# Allegro board TubiiPCB_V6.brd (continued)
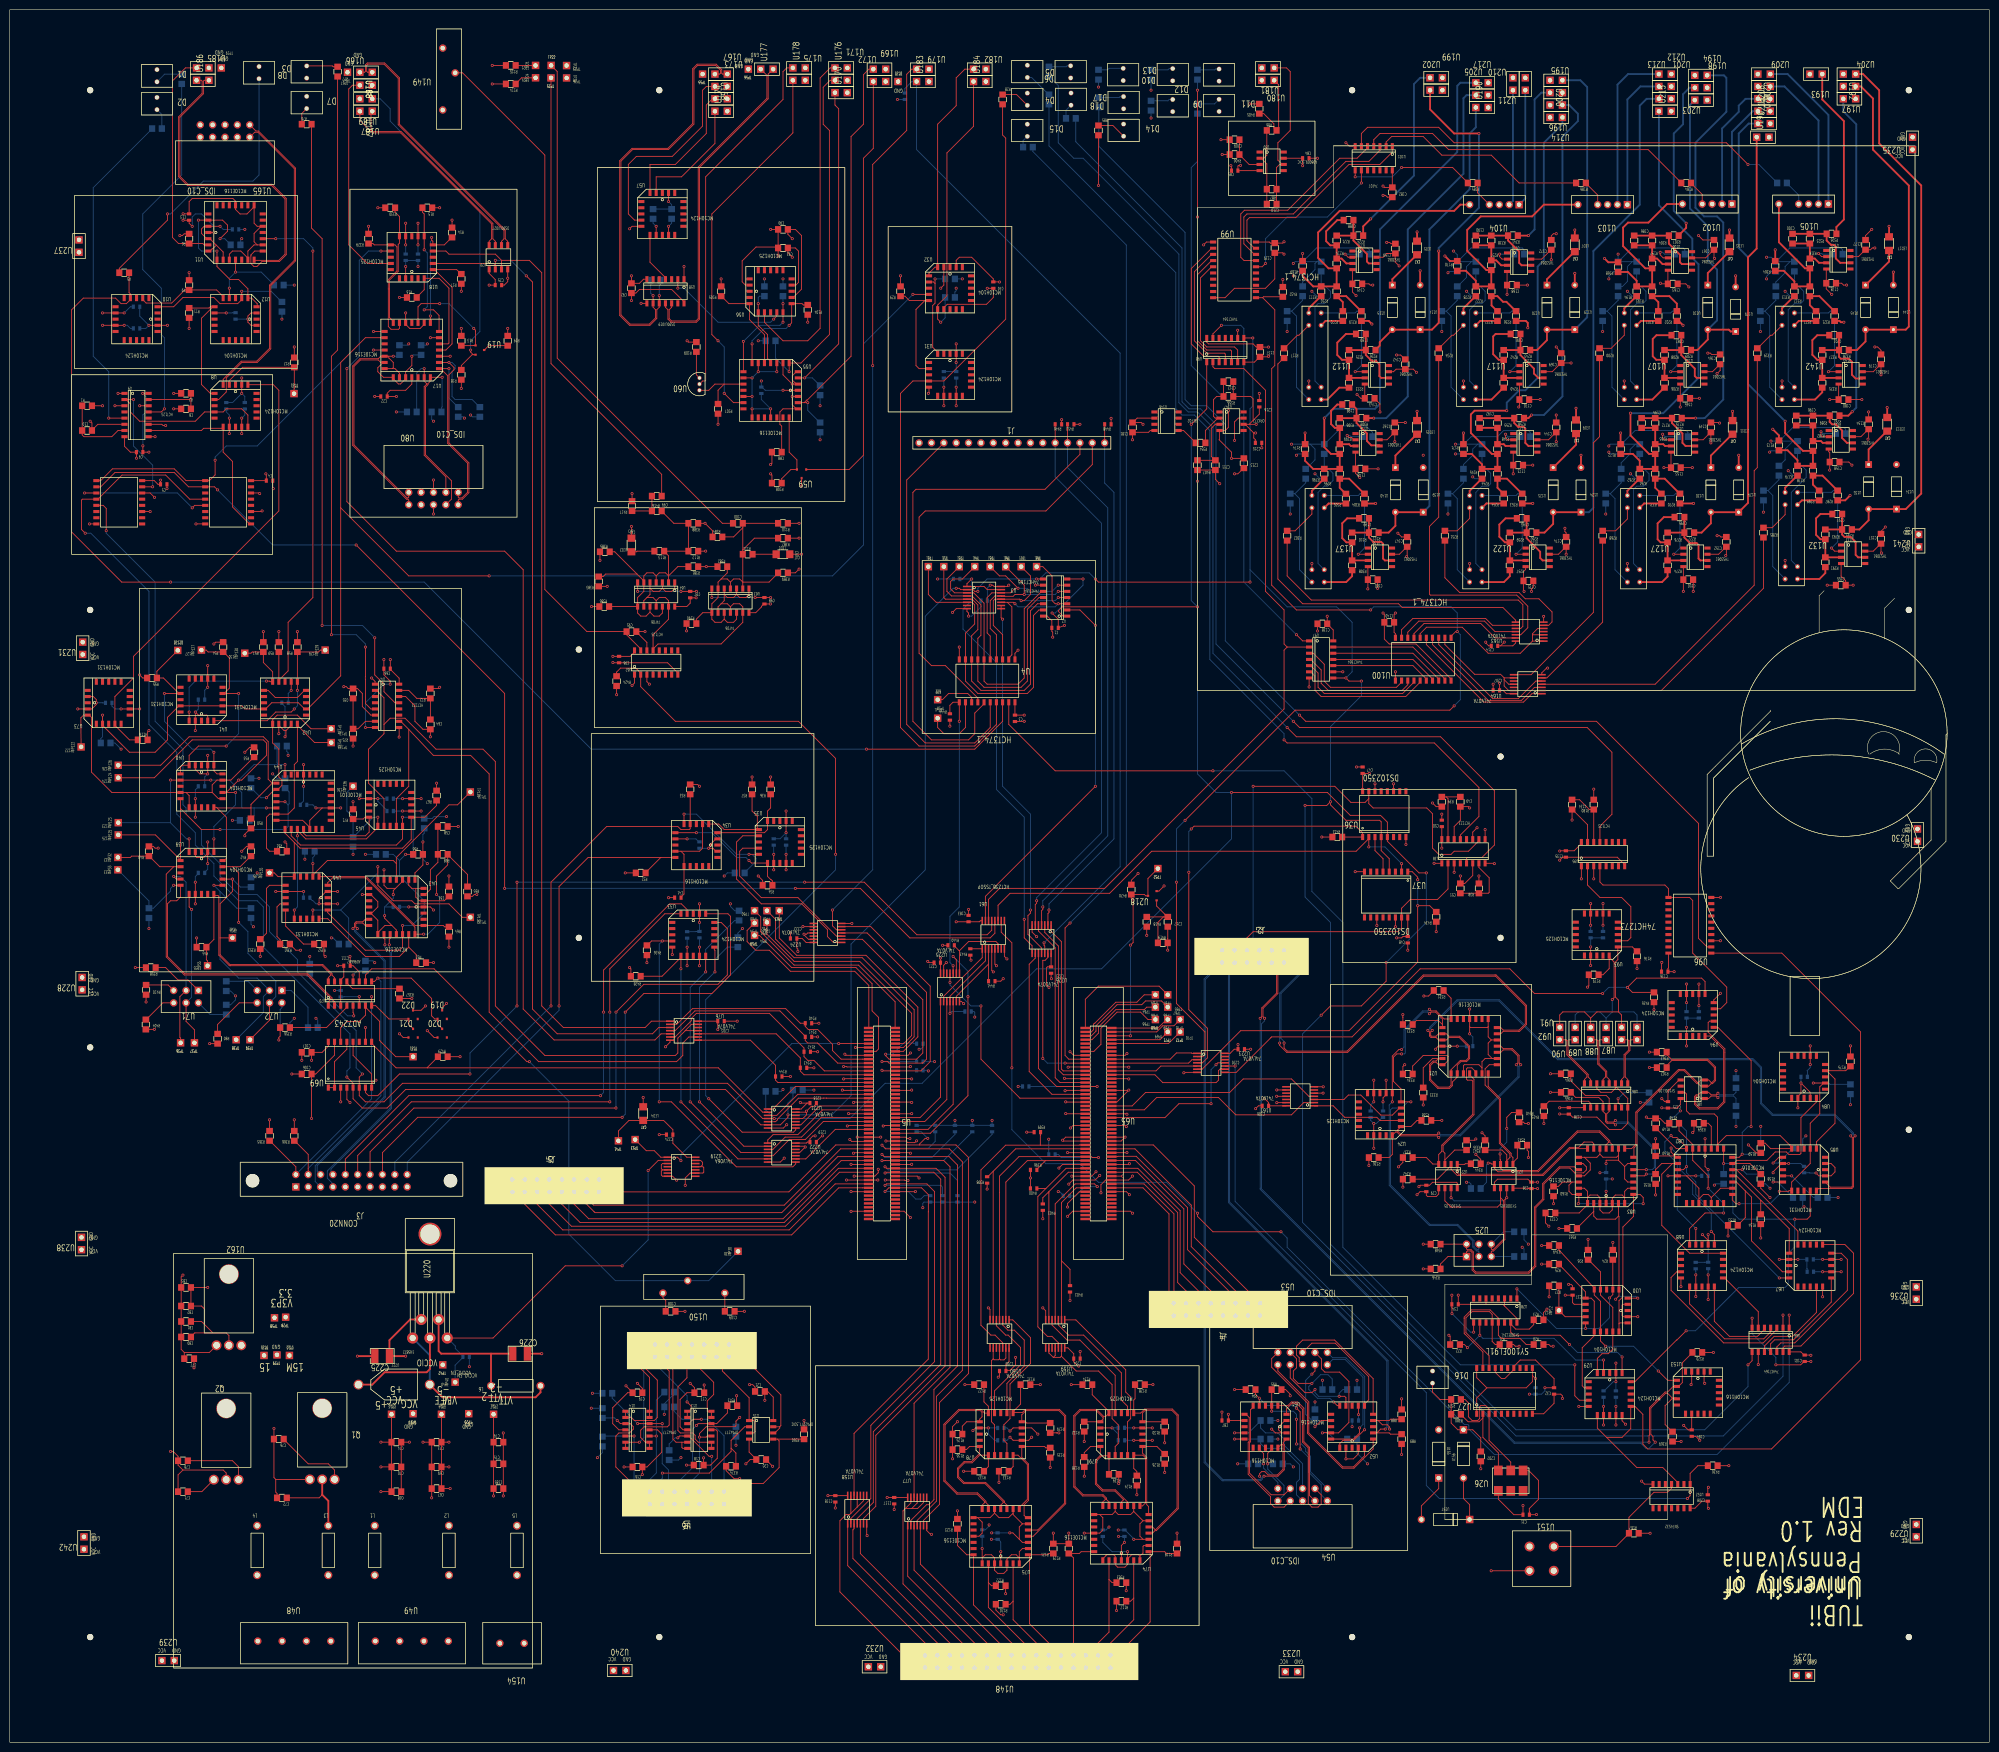
[diagram p0: board, top side]
## Routing (per net, layer and track width the routed paths; a pad name or vN(x,y) marks a point on that pad's centre or on a via; arc(x,y) is an arc through that point) (continued)
  V15 w0.178: 293.61,190.89 v1(294,190.5) ; v1(294,190.5) 294.4,190.11 ; v1(294,190.5) 293.61,190.11 ; v1(294,190.5) 294.4,190.89 ; TP26.1 115,342.28 ; TP26.1 113.65,342.28 ; TP26.1 115,340.93 ; TP26.1 113.65,340.93 ; 162.67,66.43 v1(163.07,66.04) ; v1(163.07,66.04) 162.67,65.65 ; v1(163.07,66.04) 163.46,66.43 ; v1(163.07,66.04) 163.46,65.65 ; 358.23,343.07 U206.2 ; U206.2 358.23,341.72 ; U206.2 359.58,341.72 ; U206.2 359.58,343.07 ; 296.99,91.37 v1(297.39,91.77) ; v1(297.39,91.77) 297.78,92.16 ; v1(297.39,91.77) 297.78,91.37 ; v1(297.39,91.77) 296.99,92.16 ; v1(153.67,281.31) 154.06,280.91 ; v1(153.67,281.31) 154.06,281.7 ; v1(153.67,281.31) 153.28,281.7 ; v1(153.67,281.31) 153.28,280.91 ; 67.55,191.38 v1(67.95,191.77) ; v1(67.95,191.77) 68.34,191.38 ; v1(67.95,191.77) 68.34,192.16 ; v1(67.95,191.77) 67.55,192.16 ; 286.63,162.17 v1(287.02,162.56) ; v1(287.02,162.56) 287.41,162.95 ; v1(287.02,162.56) 287.41,162.17 ; v1(287.02,162.56) 286.63,162.95 ; v1(227.58,43.56) 227.98,43.17 ; v1(227.58,43.56) 227.98,43.95 ; v1(227.58,43.56) 227.19,43.95 ; v1(227.58,43.56) 227.19,43.17 ; v1(86.36,206.38) 86.75,206.77 ; v1(86.36,206.38) 85.97,206.77 ; v1(86.36,206.38) 86.75,205.98 ; v1(86.36,206.38) 85.97,205.98 ; D18.1 229.17,335.77 ; D18.1 228.18,334.78 ; D18.1 228.18,335.77 ; D18.1 229.17,334.78 ; v1(87,259.08) 87.39,259.47 ; v1(87,259.08) 86.6,259.47 ; v1(87,259.08) 86.6,258.69 ; v1(87,259.08) 87.39,258.69 ; 247.79,334.22 D11.2 ; D11.2 248.78,334.22 ; D11.2 247.79,335.21 ; D11.2 248.78,335.21 ; v1(254.52,336.28) 254.92,336.67 ; v1(254.52,336.28) 254.13,336.67 ; v1(254.52,336.28) 254.92,335.89 ; v1(254.52,336.28) 254.13,335.89 ; v1(67.31,159.38) 67.7,158.99 ; v1(67.31,159.38) 66.92,158.99 ; v1(67.31,159.38) 67.7,159.78 ; v1(67.31,159.38) 66.92,159.78 ; v1(289.31,114.05) 289.7,113.65 ; v1(289.31,114.05) 288.91,113.65 ; v1(289.31,114.05) 289.7,114.44 ; v1(289.31,114.05) 288.91,114.44 ; 186.02,267.37 J1.1 ; J1.1 186.02,266.03 ; J1.1 187.36,267.37 ; J1.1 187.36,266.03 ; v1(156.21,234.95) 156.6,234.56 ; v1(156.21,234.95) 156.6,235.34 ; v1(156.21,234.95) 155.82,235.34 ; v1(156.21,234.95) 155.82,234.56 ; U202.2 294.81,340.96 ; U202.2 293.46,342.3 ; U202.2 293.46,340.96 ; U202.2 294.81,342.3 ; 389.98,330.11 U235.2 ; U235.2 389.98,328.76 ; U235.2 391.33,328.76 ; U235.2 391.33,330.11 ; v1(201.6,42.98) 201.99,43.37 ; v1(201.6,42.98) 201.99,42.58 ; v1(201.6,42.98) 201.21,42.58 ; v1(201.6,42.98) 201.21,43.37 ; U210.2 311.82,340.96 ; U210.2 310.48,340.96 ; U210.2 311.82,342.3 ; U210.2 310.48,342.3 ; U199.2 294.81,339.76 ; U199.2 293.46,338.42 ; U199.2 293.46,339.76 ; U199.2 294.81,338.42 ; 60.46,342.06 D8.1 ; D8.1 61.46,342.06 ; D8.1 60.46,341.07 ; D8.1 61.46,341.07 ; 360.77,331.56 U216.2 ; U216.2 362.12,331.56 ; U216.2 362.12,332.91 ; U216.2 360.77,332.91 ; D13.2 229.1,340.57 ; D13.2 228.1,341.56 ; D13.2 228.1,340.57 ; D13.2 229.1,341.56 ; 299.33,150.89 v1(299.72,150.5) ; v1(299.72,150.5) 300.11,150.1 ; v1(299.72,150.5) 299.33,150.1 ; v1(299.72,150.5) 300.11,150.89 ; v1(318.21,128.95) 318.6,129.35 ; v1(318.21,128.95) 317.82,128.56 ; v1(318.21,128.95) 318.6,128.56 ; v1(318.21,128.95) 317.82,129.35 ; 15.99,249.67 v1(16.38,250.06) ; v1(16.38,250.06) 15.99,250.46 ; v1(16.38,250.06) 16.78,250.46 ; v1(16.38,250.06) 16.78,249.67 ; 71.77,78.85 v1(71.37,79.25) 71.77,79.64 ; v1(138.95,56.89) 139.34,57.28 ; v1(138.95,56.89) 138.55,57.28 ; v1(138.95,56.89) 139.34,56.49 ; v1(138.95,56.89) 138.55,56.49 ; 68.19,217.06 v1(68.58,216.66) ; v1(68.58,216.66) 68.97,217.06 ; v1(68.58,216.66) 68.19,216.27 ; v1(68.58,216.66) 68.97,216.27 ; U148.10 216.51,14.63 ; U148.10 216.51,15.98 ; U148.10 215.16,15.98 ; U148.10 215.16,14.63 ; J4.16 239.62,88.24 ; J4.16 238.28,88.24 ; J4.16 239.62,86.89 ; J4.16 238.28,86.89 ; 86.6,251.7 v1(87,252.1) ; v1(87,252.1) 87.39,251.7 ; v1(87,252.1) 86.6,252.49 ; v1(87,252.1) 87.39,252.49 ; 72.32,74.12 U227.2 72.32,72.69 ; v1(197.74,63.97) 198.13,63.58 ; v1(197.74,63.97) 197.35,63.58 ; v1(197.74,63.97) 197.35,64.37 ; v1(197.74,63.97) 198.13,64.37 ; U220.3 87.26,81.98 ; U220.3 87.26,83.95 ; U220.3 85.29,83.95 ; U220.3 85.29,81.98 ; 315.58,105.52 v1(315.98,105.92) ; v1(315.98,105.92) 315.58,106.31 ; v1(315.98,105.92) 316.37,106.31 ; v1(315.98,105.92) 316.37,105.52 ; v1(163.07,165.86) 163.46,165.47 ; v1(163.07,165.86) 163.46,166.26 ; v1(163.07,165.86) 162.67,166.26 ; v1(163.07,165.86) 162.67,165.47 ; v1(299.72,191.77) 300.11,192.16 ; v1(299.72,191.77) 299.33,192.16 ; v1(299.72,191.77) 299.33,191.38 ; v1(299.72,191.77) 300.11,191.38 ; 14.57,41.49 U242.2 ; U242.2 14.57,42.84 ; U242.2 15.91,41.49 ; U242.2 15.91,42.84 ; 302.86,337.4 U205.2 ; U205.2 304.2,338.75 ; U205.2 304.2,337.4 ; U205.2 302.86,338.75 ; 326.07,117.28 v1(326.47,116.89) ; v1(326.47,116.89) 326.86,116.49 ; v1(326.47,116.89) 326.86,117.28 ; v1(326.47,116.89) 326.07,116.49 ; D7.1 61.46,338.32 ; D7.1 61.46,337.32 ; D7.1 60.46,338.32 ; D7.1 60.46,337.32 ; U189.2 72.56,337.99 ; U189.2 72.56,336.64 ; U189.2 71.21,336.64 ; U189.2 71.21,337.99 ; 162.65,340.45 U175.2 ; U175.2 164,341.8 ; U175.2 162.65,341.8 ; U175.2 164,340.45 ; 43.52,332.65 U165.5 ; U165.5 44.87,332.65 ; U165.5 44.87,331.3 ; U165.5 43.52,331.3 ; 144.45,78.44 U16.11 ; U16.11 144.45,79.78 ; U16.11 145.8,79.78 ; U16.11 145.8,78.44 ; U208.2 362.12,334.1 ; U208.2 360.77,334.1 ; U208.2 362.12,335.45 ; U208.2 360.77,335.45 ; U215.2 341.8,335.45 ; U215.2 340.45,335.45 ; U215.2 340.45,334.1 ; U215.2 341.8,334.1 ; 93.56,66.76 TP20.1 ; TP20.1 94.91,68.11 ; TP20.1 93.56,68.11 ; TP20.1 94.91,66.76 ; v1(73.03,146.69) 73.42,146.29 ; v1(73.03,146.69) 72.63,147.08 ; v1(73.03,146.69) 73.42,147.08 ; v1(73.03,146.69) 72.63,146.29 ; 202.46,14.63 U148.20 ; U148.20 203.81,14.63 ; U148.20 202.46,15.98 ; U148.20 203.81,15.98 ; v1(56.52,206.38) 56.91,205.98 ; v1(56.52,206.38) 56.91,206.77 ; v1(56.52,206.38) 56.12,205.98 ; v1(56.52,206.38) 56.12,206.77 ; 134.86,172.96 v1(135.25,173.36) ; v1(135.25,173.36) 135.65,173.75 ; v1(135.25,173.36) 135.65,172.96 ; v1(135.25,173.36) 134.86,173.75 ; v1(150.82,88.45) 151.22,88.84 ; v1(150.82,88.45) 151.22,88.05 ; v1(150.82,88.45) 150.43,88.05 ; v1(150.82,88.45) 150.43,88.84 ; U16.12 145.8,82.32 ; U16.12 144.45,80.98 ; U16.12 144.45,82.32 ; U16.12 145.8,80.98 ; 141.57,341.72 TP55.1 ; TP55.1 142.91,343.07 ; TP55.1 142.91,341.72 ; TP55.1 141.57,343.07 ; v1(138.63,88.45) 139.02,88.05 ; v1(138.63,88.45) 138.24,88.84 ; v1(138.63,88.45) 139.02,88.84 ; v1(138.63,88.45) 138.24,88.05 ; U6.6 142.25,48.21 ; U6.6 142.25,49.56 ; U6.6 140.9,49.56 ; U6.6 140.9,48.21 ; v1(248.67,328.93) 249.06,328.54 ; v1(248.67,328.93) 248.27,328.54 ; v1(248.67,328.93) 248.27,329.32 ; v1(248.67,328.93) 249.06,329.32 ; 151.5,73.01 v1(151.89,73.41) ; v1(151.89,73.41) 152.29,73.01 ; v1(151.89,73.41) 152.29,73.8 ; v1(151.89,73.41) 151.5,73.8 ; 60.24,20.09 U48.3 ; U48.3 61.58,21.44 ; U48.3 60.24,21.44 ; U48.3 61.58,20.09 ; 247.79,341.43 D12.1 ; D12.1 248.78,340.44 ; D12.1 248.78,341.43 ; D12.1 247.79,340.44 ; U197.2 377.1,340.53 ; U197.2 377.1,339.18 ; U197.2 375.75,340.53 ; U197.2 375.75,339.18 ; 329.35,73.62 v1(329.75,74.01) ; v1(329.75,74.01) 329.35,74.4 ; v1(329.75,74.01) 330.14,73.62 ; v1(329.75,74.01) 330.14,74.4 ; v1(134.38,67.31) 134.77,67.7 ; v1(134.38,67.31) 133.99,67.7 ; v1(134.38,67.31) 133.99,66.92 ; v1(134.38,67.31) 134.77,66.92 ; v1(191.13,298.45) 191.53,298.06 ; v1(191.13,298.45) 191.53,298.84 ; v1(191.13,298.45) 190.74,298.06 ; v1(191.13,298.45) 190.74,298.84 ; v1(54.1,257.3) 54.5,257.7 ; v1(54.1,257.3) 53.71,256.91 ; v1(54.1,257.3) 54.5,256.91 ; v1(54.1,257.3) 53.71,257.7 ; 113.65,344.82 TP23.1 ; TP23.1 115,344.82 ; TP23.1 113.65,343.47 ; TP23.1 115,343.47 ; 207.89,209.94 v1(208.28,209.55) ; v1(208.28,209.55) 208.67,209.94 ; v1(208.28,209.55) 207.89,209.16 ; v1(208.28,209.55) 208.67,209.16 ; U148.6 221.59,14.63 ; U148.6 221.59,15.98 ; U148.6 220.24,15.98 ; U148.6 220.24,14.63 ; 13.55,309.03 U237.2 ; U237.2 14.9,309.03 ; U237.2 14.9,307.68 ; U237.2 13.55,307.68 ; 66.92,174.23 v1(67.31,174.62) ; v1(67.31,174.62) 67.7,175.02 ; v1(67.31,174.62) 67.7,174.23 ; v1(67.31,174.62) 66.92,175.02 ; 136.83,78.44 U16.5 ; U16.5 138.18,78.44 ; U16.5 136.83,79.78 ; U16.5 138.18,79.78 ; v1(159.38,186.69) 159.78,187.08 ; v1(159.38,186.69) 159.78,186.3 ; v1(159.38,186.69) 158.99,186.3 ; v1(159.38,186.69) 158.99,187.08 ; 256.37,340.45 U180.2 ; U180.2 257.72,340.45 ; U180.2 256.37,341.8 ; U180.2 257.72,341.8 ; 47.87,310.12 v1(48.26,310.51) ; v1(48.26,310.51) 47.87,310.91 ; v1(48.26,310.51) 48.65,310.12 ; v1(48.26,310.51) 48.65,310.91 ; 216.14,228.84 v1(216.53,229.24) ; v1(216.53,229.24) 216.93,229.63 ; v1(216.53,229.24) 216.93,228.84 ; v1(216.53,229.24) 216.14,229.63 ; v1(40.64,180.34) 41.03,179.95 ; v1(40.64,180.34) 40.25,180.73 ; v1(40.64,180.34) 41.03,180.73 ; v1(40.64,180.34) 40.25,179.95 ; v1(324.56,163.24) 324.95,162.85 ; v1(324.56,163.24) 324.17,162.85 ; v1(324.56,163.24) 324.17,163.64 ; v1(324.56,163.24) 324.95,163.64 ; 74.28,285.36 v1(74.68,285.75) ; v1(74.68,285.75) 75.07,286.14 ; v1(74.68,285.75) 75.07,285.36 ; v1(74.68,285.75) 74.28,286.14 ; 63.11,171.69 v1(63.5,172.09) ; v1(63.5,172.09) 63.89,171.69 ; v1(63.5,172.09) 63.89,172.48 ; v1(63.5,172.09) 63.11,172.48 ; U171.2 172.63,341.8 ; U171.2 172.63,340.45 ; U171.2 171.28,340.45 ; U171.2 171.28,341.8 ; 258.69,63.87 v1(259.08,64.26) ; v1(259.08,64.26) 258.69,64.66 ; v1(259.08,64.26) 259.47,64.66 ; v1(259.08,64.26) 259.47,63.87 ; 193.92,287.41 v1(194.31,287.02) ; v1(194.31,287.02) 193.92,286.63 ; v1(194.31,287.02) 194.7,286.63 ; v1(194.31,287.02) 194.7,287.41 ; 196.46,231.53 v1(196.85,231.14) ; v1(196.85,231.14) 197.24,231.53 ; v1(196.85,231.14) 196.46,230.75 ; v1(196.85,231.14) 197.24,230.75 ; U181.2 257.72,344.34 ; U181.2 256.37,344.34 ; U181.2 257.72,342.99 ; U181.2 256.37,342.99 ; 315.56,334.18 U214.2 ; U214.2 316.9,334.18 ; U214.2 316.9,332.83 ; U214.2 315.56,332.83 ; v1(313.66,113.64) 314.06,113.25 ; v1(313.66,113.64) 314.06,114.03 ; v1(313.66,113.64) 313.27,113.25 ; v1(313.66,113.64) 313.27,114.03 ; v1(284.1,196.72) 284.49,196.33 ; v1(284.1,196.72) 283.71,197.12 ; v1(284.1,196.72) 284.49,197.12 ; v1(284.1,196.72) 283.71,196.33 ; v1(367.11,99.11) 367.5,98.71 ; v1(367.11,99.11) 367.5,99.5 ; v1(367.11,99.11) 366.71,98.71 ; v1(367.11,99.11) 366.71,99.5 ; 225.92,64.91 v1(226.31,64.52) ; v1(226.31,64.52) 225.92,64.12 ; v1(226.31,64.52) 226.71,64.12 ; v1(226.31,64.52) 226.71,64.91 ; 140.9,52.1 U6.5 ; U6.5 142.25,52.1 ; U6.5 142.25,50.75 ; U6.5 140.9,50.75 ; v1(135.25,316.23) 135.65,315.84 ; v1(135.25,316.23) 134.86,315.84 ; v1(135.25,316.23) 135.65,316.62 ; v1(135.25,316.23) 134.86,316.62 ; v1(29.7,146.32) 30.1,146.71 ; v1(29.7,146.32) 29.31,145.93 ; v1(29.7,146.32) 30.1,145.93 ; v1(29.7,146.32) 29.31,146.71 ; v1(181.58,47.78) 181.98,48.17 ; v1(181.58,47.78) 181.19,48.17 ; v1(181.58,47.78) 181.98,47.38 ; v1(181.58,47.78) 181.19,47.38 ; v1(130.43,227.97) 130.82,227.57 ; v1(130.43,227.97) 130.04,227.57 ; v1(130.43,227.97) 130.04,228.36 ; v1(130.43,227.97) 130.82,228.36 ; D1.1 30.72,342.82 ; D1.1 30.72,343.81 ; D1.1 29.73,342.82 ; D1.1 29.73,343.81 ; v1(344.25,146.73) 344.64,147.13 ; v1(344.25,146.73) 343.85,147.13 ; v1(344.25,146.73) 344.64,146.34 ; v1(344.25,146.73) 343.85,146.34 ; v1(83.82,302.89) 84.21,302.5 ; v1(83.82,302.89) 84.21,303.29 ; v1(83.82,302.89) 83.43,303.29 ; v1(83.82,302.89) 83.43,302.5 ; v1(280.67,167.64) 281.06,167.25 ; v1(280.67,167.64) 280.28,167.25 ; v1(280.67,167.64) 280.28,168.03 ; v1(280.67,167.64) 281.06,168.03 ; v1(213.87,156.72) 214.26,156.32 ; v1(213.87,156.72) 213.47,156.32 ; v1(213.87,156.72) 213.47,157.11 ; v1(213.87,156.72) 214.26,157.11 ; 76.44,178.68 v1(76.84,179.07) ; v1(76.84,179.07) 76.44,179.46 ; v1(76.84,179.07) 77.23,178.68 ; v1(76.84,179.07) 77.23,179.46 ; v1(202.95,74.93) 203.34,74.54 ; v1(202.95,74.93) 202.55,74.54 ; v1(202.95,74.93) 202.55,75.32 ; v1(202.95,74.93) 203.34,75.32 ; v1(375.36,111.81) 375.75,112.2 ; v1(375.36,111.81) 374.97,111.41 ; v1(375.36,111.81) 374.97,112.2 ; v1(375.36,111.81) 375.75,111.41 ; v1(156.21,273.69) 156.6,274.08 ; v1(156.21,273.69) 155.82,273.29 ; v1(156.21,273.69) 155.82,274.08 ; v1(156.21,273.69) 156.6,273.29 ; U173.2 147.99,336.64 ; U173.2 146.65,337.99 ; U173.2 147.99,337.99 ; U173.2 146.65,336.64 ; U239.2 34.46,17.44 ; U239.2 34.46,16.09 ; U239.2 33.11,17.44 ; U239.2 33.11,16.09 ; v1(13.97,212.09) 14.36,212.48 ; v1(13.97,212.09) 14.36,211.7 ; v1(13.97,212.09) 13.58,212.48 ; v1(13.97,212.09) 13.58,211.7 ; 275.2,64.38 v1(275.59,64.77) ; v1(275.59,64.77) 275.98,64.38 ; v1(275.59,64.77) 275.2,65.16 ; v1(275.59,64.77) 275.98,65.16 ; 358.23,339.18 U207.2 ; U207.2 359.58,340.53 ; U207.2 359.58,339.18 ; U207.2 358.23,340.53 ; 42.76,342.99 TP19.1 ; TP19.1 44.11,344.34 ; TP19.1 44.11,342.99 ; TP19.1 42.76,344.34 ; 205,15.98 U148.18 ; U148.18 206.35,15.98 ; U148.18 206.35,14.63 ; U148.18 205,14.63 ; 162.65,344.34 U178.2 ; U178.2 162.65,342.99 ; U178.2 164,342.99 ; U178.2 164,344.34 ; 194.55,224.4 v1(194.94,224.79) ; v1(194.94,224.79) 195.34,225.18 ; v1(194.94,224.79) 195.34,224.4 ; v1(194.94,224.79) 194.55,225.18 ; v1(64.77,161.29) 65.16,161.68 ; v1(64.77,161.29) 64.38,160.9 ; v1(64.77,161.29) 64.38,161.68 ; v1(64.77,161.29) 65.16,160.9 ; U232.2 179.49,16.17 ; U232.2 179.49,14.82 ; U232.2 178.14,16.17 ; U232.2 178.14,14.82 ; v1(320.04,93.98) 320.43,93.59 ; v1(320.04,93.98) 319.65,94.37 ; v1(320.04,93.98) 319.65,93.59 ; v1(320.04,93.98) 320.43,94.37 ; v1(74.93,276.23) 75.32,276.62 ; v1(74.93,276.23) 74.54,276.62 ; v1(74.93,276.23) 75.32,275.83 ; v1(74.93,276.23) 74.54,275.83 ; 125.82,15.41 U240.2 ; U240.2 127.17,15.41 ; U240.2 127.17,14.06 ; U240.2 125.82,14.06 ; 84.37,20.09 U49.3 ; U49.3 85.71,21.44 ; U49.3 85.71,20.09 ; U49.3 84.37,21.44 ; v1(149.86,54.1) 150.25,54.5 ; v1(149.86,54.1) 149.47,54.5 ; v1(149.86,54.1) 150.25,53.71 ; v1(149.86,54.1) 149.47,53.71 ; v1(302.01,56.13) 302.4,55.74 ; v1(302.01,56.13) 301.61,55.74 ; v1(302.01,56.13) 302.4,56.53 ; v1(302.01,56.13) 301.61,56.53 ; U174.2 147.99,335.45 ; U174.2 146.65,335.45 ; U174.2 147.99,334.1 ; U174.2 146.65,334.1 ; v1(25.78,159) 26.17,158.61 ; v1(25.78,159) 25.39,158.61 ; v1(25.78,159) 26.17,159.4 ; v1(25.78,159) 25.39,159.4 ; 225.29,44.56 v1(225.68,44.17) ; v1(225.68,44.17) 226.07,44.56 ; v1(225.68,44.17) 225.29,43.77 ; v1(225.68,44.17) 226.07,43.77 ; v1(38.23,250.06) 38.62,249.67 ; v1(38.23,250.06) 37.83,250.46 ; v1(38.23,250.06) 37.83,249.67 ; v1(38.23,250.06) 38.62,250.46 ; v1(156.21,262.25) 156.6,261.86 ; v1(156.21,262.25) 156.6,262.65 ; v1(156.21,262.25) 155.82,262.65 ; v1(156.21,262.25) 155.82,261.86 ; 119,68.17 v1(119.4,68.56) ; v1(119.4,68.56) 119.79,68.96 ; v1(119.4,68.56) 119,68.96 ; v1(119.4,68.56) 119.79,68.17 ; 368.64,13.04 U234.2 ; U234.2 369.99,13.04 ; U234.2 369.99,14.39 ; U234.2 368.64,14.39 ; 148.96,148.4 v1(149.35,148.01) ; v1(149.35,148.01) 149.75,147.61 ; v1(149.35,148.01) 148.96,147.61 ; v1(149.35,148.01) 149.75,148.4 ; v1(86.36,288.29) 86.75,287.9 ; v1(86.36,288.29) 85.97,288.68 ; v1(86.36,288.29) 85.97,287.9 ; v1(86.36,288.29) 86.75,288.68 ; 273.93,328.69 v1(274.32,328.3) ; v1(274.32,328.3) 273.93,327.9 ; v1(274.32,328.3) 274.71,328.69 ; v1(274.32,328.3) 274.71,327.9 ; 48.5,291.71 v1(48.89,292.1) ; v1(48.89,292.1) 49.29,291.71 ; v1(48.89,292.1) 49.29,292.49 ; v1(48.89,292.1) 48.5,292.49 ; 238.26,340.53 D10.1 ; D10.1 239.26,341.52 ; D10.1 239.26,340.53 ; D10.1 238.26,341.52 ; 253.52,86.89 J4.4 ; J4.4 254.86,86.89 ; J4.4 253.52,88.24 ; J4.4 254.86,88.24 ; v1(162.56,243.84) 162.95,244.23 ; v1(162.56,243.84) 162.17,244.23 ; v1(162.56,243.84) 162.17,243.45 ; v1(162.56,243.84) 162.95,243.45 ; 62.47,148.98 v1(62.87,148.59) ; v1(62.87,148.59) 62.47,148.2 ; v1(62.87,148.59) 63.26,148.2 ; v1(62.87,148.59) 63.26,148.98 ; v1(75.56,193.68) 75.96,193.28 ; v1(75.56,193.68) 75.17,194.07 ; v1(75.56,193.68) 75.96,194.07 ; v1(75.56,193.68) 75.17,193.28 ; U191.2 361.86,328.76 ; U191.2 360.51,330.11 ; U191.2 360.51,328.76 ; U191.2 361.86,330.11 ; U184.2 201.08,340.19 ; U184.2 199.73,341.54 ; U184.2 201.08,341.54 ; U184.2 199.73,340.19 ; TP18.1 183.05,341.54 ; TP18.1 181.7,341.54 ; TP18.1 181.7,340.19 ; TP18.1 183.05,340.19 ; 51.04,160.9 v1(51.44,161.29) ; v1(51.44,161.29) 51.83,161.68 ; v1(51.44,161.29) 51.04,161.68 ; v1(51.44,161.29) 51.83,160.9 ; J4.10 247.24,86.89 ; J4.10 247.24,88.24 ; J4.10 245.9,86.89 ; J4.10 245.9,88.24 ; 347.12,104.58 v1(347.51,104.19) ; v1(347.51,104.19) 347.91,104.58 ; v1(347.51,104.19) 347.12,103.79 ; v1(347.51,104.19) 347.91,103.79 ; v1(205.31,42.98) 205.7,42.58 ; v1(205.31,42.98) 204.91,43.37 ; v1(205.31,42.98) 204.91,42.58 ; v1(205.31,42.98) 205.7,43.37 ; v1(72.39,173.99) 72.78,173.6 ; v1(72.39,173.99) 72.78,174.38 ; v1(72.39,173.99) 72,174.38 ; v1(72.39,173.99) 72,173.6 ; 191.88,159.63 v1(192.28,160.02) ; v1(192.28,160.02) 192.67,160.41 ; v1(192.28,160.02) 191.88,160.41 ; v1(192.28,160.02) 192.67,159.63 ; v1(38.1,207.64) 38.49,208.04 ; v1(38.1,207.64) 37.71,208.04 ; v1(38.1,207.64) 37.71,207.25 ; v1(38.1,207.64) 38.49,207.25 ; 137.4,58.03 v1(137.8,58.42) ; v1(137.8,58.42) 137.4,58.81 ; v1(137.8,58.42) 138.19,58.81 ; v1(137.8,58.42) 138.19,58.03 ; 142.18,72.93 v1(142.57,73.33) ; v1(142.57,73.33) 142.97,72.93 ; v1(142.57,73.33) 142.18,73.72 ; v1(142.57,73.33) 142.97,73.72 ; v1(67.31,172.09) 67.7,171.69 ; v1(67.31,172.09) 66.92,172.48 ; v1(67.31,172.09) 67.7,172.48 ; v1(67.31,172.09) 66.92,171.69 ; U193.2 370.24,343.07 ; U193.2 368.9,343.07 ; U193.2 370.24,341.72 ; U193.2 368.9,341.72 ; v1(90.42,284.48) 90.82,284.87 ; v1(90.42,284.48) 90.82,284.09 ; v1(90.42,284.48) 90.03,284.87 ; v1(90.42,284.48) 90.03,284.09 ; 32.63,59.3 v1(33.02,59.69) ; v1(33.02,59.69) 32.63,60.08 ; v1(33.02,59.69) 33.41,60.08 ; v1(33.02,59.69) 33.41,59.3 ; v1(51.82,252.73) 52.21,252.34 ; v1(51.82,252.73) 52.21,253.12 ; v1(51.82,252.73) 51.42,252.34 ; v1(51.82,252.73) 51.42,253.12 ; v1(286.64,184.28) 287.03,184.67 ; v1(286.64,184.28) 287.03,183.88 ; v1(286.64,184.28) 286.25,183.88 ; v1(286.64,184.28) 286.25,184.67 ; 76.42,221.83 v1(76.81,222.22) ; v1(76.81,222.22) 76.42,222.62 ; v1(76.81,222.22) 77.2,221.83 ; v1(76.81,222.22) 77.2,222.62 ; v1(81.28,293.37) 81.67,292.98 ; v1(81.28,293.37) 80.89,292.98 ; v1(81.28,293.37) 80.89,293.76 ; v1(81.28,293.37) 81.67,293.76 ; 322.26,176.82 v1(322.66,177.21) ; v1(322.66,177.21) 323.05,177.61 ; v1(322.66,177.21) 323.05,176.82 ; v1(322.66,177.21) 322.26,177.61 ; 47.23,276.47 v1(47.62,276.86) ; v1(47.62,276.86) 48.02,276.47 ; v1(47.62,276.86) 47.23,277.25 ; v1(47.62,276.86) 48.02,277.25 ; 156.22,56.25 v1(156.61,56.64) ; v1(156.61,56.64) 157,56.25 ; v1(156.61,56.64) 157,57.04 ; v1(156.61,56.64) 156.22,57.04 ; v1(363.3,99.11) 363.69,98.71 ; v1(363.3,99.11) 362.9,99.5 ; v1(363.3,99.11) 362.9,98.71 ; v1(363.3,99.11) 363.69,99.5 ; 127.24,301.38 v1(127.63,300.99) ; v1(127.63,300.99) 127.24,300.6 ; v1(127.63,300.99) 128.03,301.38 ; v1(127.63,300.99) 128.03,300.6 ; 162.18,258.22 v1(162.57,257.82) ; v1(162.57,257.82) 162.97,257.43 ; v1(162.57,257.82) 162.18,257.43 ; v1(162.57,257.82) 162.97,258.22 ; U148.16 208.89,14.63 ; U148.16 207.54,14.63 ; U148.16 208.89,15.98 ; U148.16 207.54,15.98 ; 368.36,124.85 v1(368.76,124.46) ; v1(368.76,124.46) 368.36,124.07 ; v1(368.76,124.46) 369.15,124.85 ; v1(368.76,124.46) 369.15,124.07 ; 208.42,337.99 D4.1 ; D4.1 208.42,338.98 ; D4.1 209.41,337.99 ; D4.1 209.41,338.98 ; 210.08,14.63 U148.14 ; U148.14 211.43,15.98 ; U148.14 210.08,15.98 ; U148.14 211.43,14.63 ; 62.47,192.16 v1(62.87,191.77) ; v1(62.87,191.77) 63.26,191.38 ; v1(62.87,191.77) 62.47,191.38 ; v1(62.87,191.77) 63.26,192.16 ; 213.6,231.38 v1(214,231.77) ; v1(214,231.77) 213.6,232.17 ; v1(214,231.77) 214.39,232.17 ; v1(214,231.77) 214.39,231.38 ; 193.15,232.3 v1(193.55,231.9) ; v1(193.55,231.9) 193.15,231.51 ; v1(193.55,231.9) 193.94,232.3 ; v1(193.55,231.9) 193.94,231.51 ; 195.44,152 v1(195.83,151.6) ; v1(195.83,151.6) 196.23,151.21 ; v1(195.83,151.6) 195.44,151.21 ; v1(195.83,151.6) 196.23,152 ; 360.77,336.64 U209.2 ; U209.2 360.77,337.99 ; U209.2 362.12,336.64 ; U209.2 362.12,337.99 ; U217.2 304.2,341.29 ; U217.2 302.86,341.29 ; U217.2 302.86,339.94 ; U217.2 304.2,339.94 ; 40.25,202.96 v1(40.64,202.56) ; v1(40.64,202.56) 40.25,202.17 ; v1(40.64,202.56) 